# Altium PCB CF_PCB.PcbDoc (part 1 of 2) (continued)
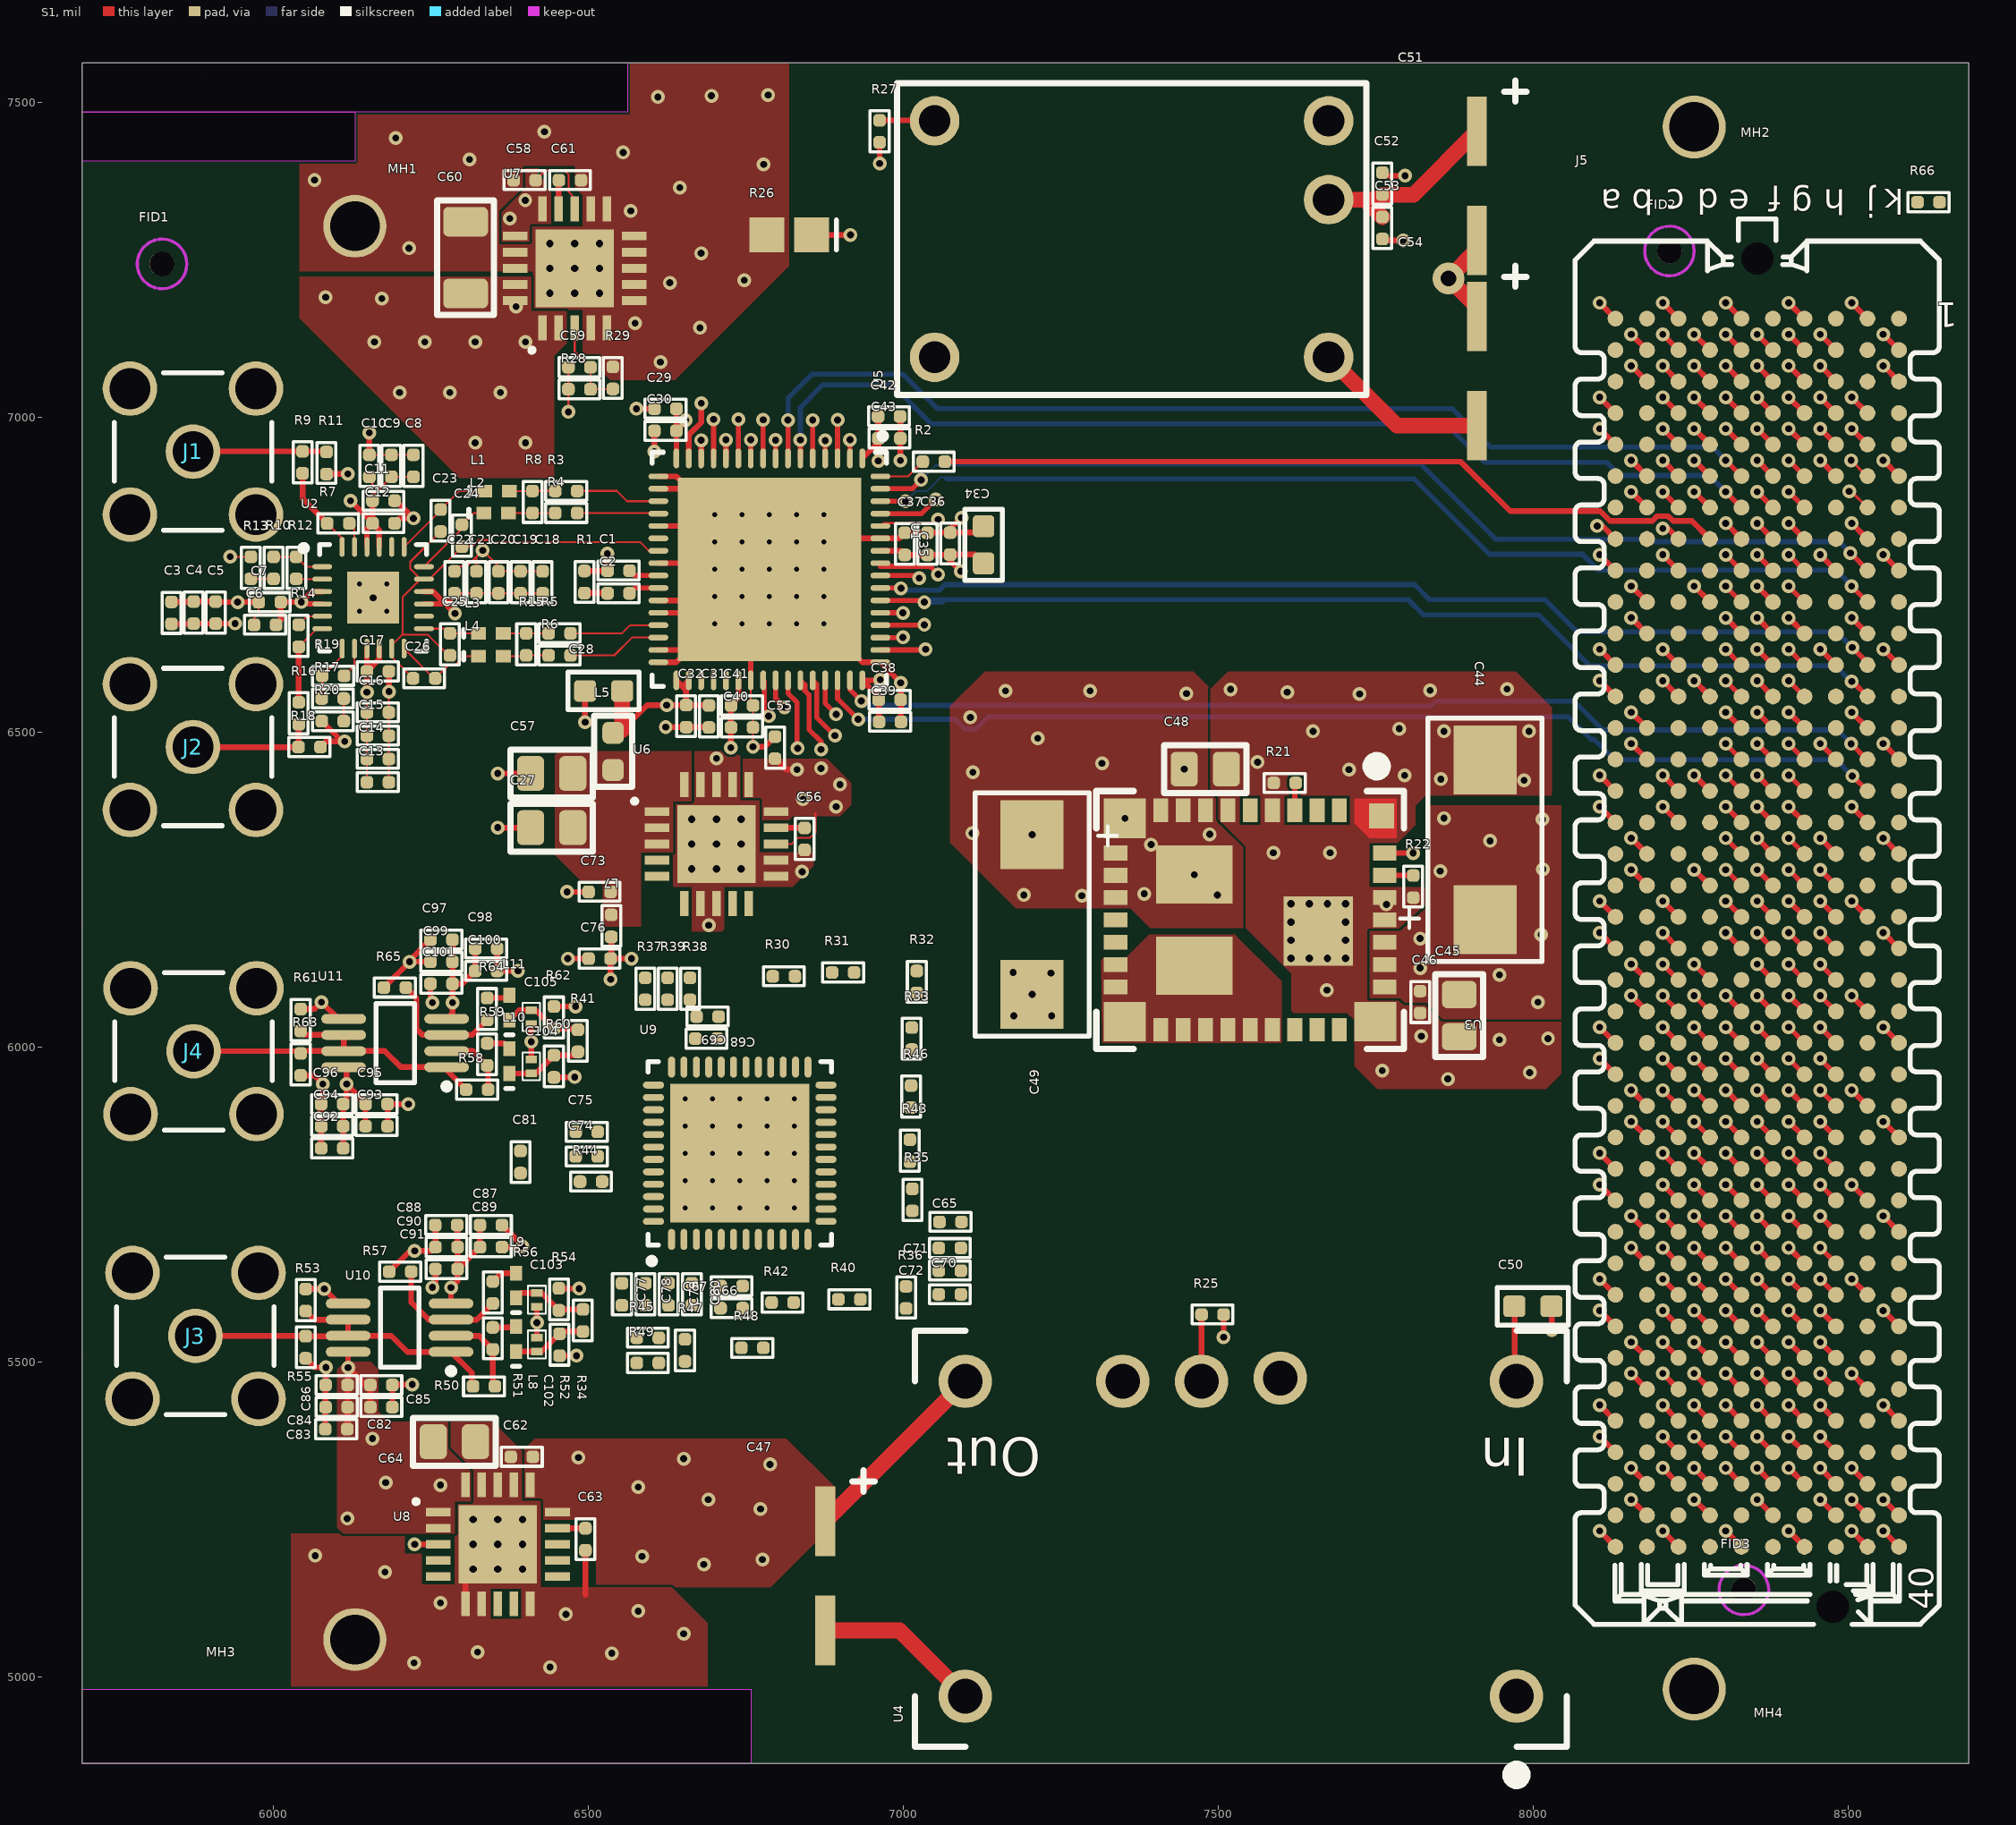
[diagram p0: S1 view]
## Components (designator, comment, footprint, x,y, rotation, side; value= is the part's Value field where it differs from the comment) (continued)
R52 "RES - 0402" RES_0402 6454,5528 r90 top value=60.4R
R53 "RES - 0402" RES_0402 6051,5599 r270 top value=1K
R54 "RES - 0402" RES_0402 6453,5600 r90 top value=60.4R
R55 "RES - 0402" RES_0402 6051,5524 r90 top value=50R
R56 "RES - 0402" RES_0402 6348,5611 r90 top value=150R
R57 "RES - 0402" RES_0402 6201,5644 r0 top value=150R
R58 "RES - 0402" RES_0402 6323,5933 r0 top value=150R
R59 "RES - 0402" RES_0402 6339,5989 r90 top value=150R
R60 "RES - 0402" RES_0402 6445,5970 r90 top value=60.4R
R61 "RES - 0402" RES_0402 6043,6043.5 r270 top value=1K
R62 "RES - 0402" RES_0402 6445,6047.5 r90 top value=60.4R
R63 "RES - 0402" RES_0402 6043,5973 r90 top value=50R
R64 "RES - 0402" RES_0402 6339,6061 r90 top value=150R
R65 "RES - 0402" RES_0402 6192.5,6095 r0 top value=150R
R66 "RES - 0402" RES_0402 8627,7342 r0 top value=10k
U1 "ADS62P48IRGCT" ADC_ADS62P48IRGCT 6787,6759 r270 top
U2 "ADA4927-2YCPZ-R2" OPAMP_ADA4927-2YCPZ-R2 6158,6714 r0 top
U3 "LMZ30602" "RKG39 QFN" 7782.46,6395.23 r180 top
U4 "PTN78060W" EUW 8053,5550 r180 top
U5 "PTN78000A" PTN78000A 7362,7283.5 r180 top
U6 "TPS7A4700" TPS7A4700 6703,6323 r0 top
U7 "" TPS7A4700 6478,7237 r90 top
U8 "TPS7A4700" TPS7A4700 6356,5211 r0 top
U9 "AD9146BCPZ" DAC_AD9146BCPZ 6740,5832 r90 top
U10 "AD8056ARMZ" OPAMP_AD8056ARMZ 6200,5555 r180 top
U11 "AD8056ARMZ" OPAMP_AD8056ARMZ 6193,6007 r180 top

## Footprints (in the part's own frame and the unit in brackets; to place one, negate y for a bottom-side part, rotate by r counter-clockwise, add the part's x,y. Pads: shape width x height; smd on the part's side, far side on the other; paste and mask are expansions set on the pad)
0402-A [mm] "Chip Inductor, Body 1.0x0.5mm, IPC High Density"
  rect 0.6x0.5 smd: 1(-0.5,0) 2(0.5,0)
  silkscreen extent -1.1,-0.15 -1.1,0.15, body extent -0.55,-0.3 0.55,0.3, height 0.55
ADC_ADS62P48IRGCT [mm] "QFN, 64-Leads, Body 9,00x9,00mm, Pitch 0,50mm, Thermal Pad 7,40x7,40mm, IPC Medium Density"
  oval 0.8x0.23 smd mask+0.07: 1(-4.475,3.75) 2(-4.475,3.25) 3(-4.475,2.75) 4(-4.475,2.25) 5(-4.475,1.75) 6(-4.475,1.25) 7(-4.475,0.75) 8(-4.475,0.25) 9(-4.475,-0.25) 10(-4.475,-0.75) 11(-4.475,-1.25) 12(-4.475,-1.75) 13(-4.475,-2.25) 14(-4.475,-2.75) 15(-4.475,-3.25) 16(-4.475,-3.75) 33(4.475,-3.75) 34(4.475,-3.25) 35(4.475,-2.75) 36(4.475,-2.25) 37(4.475,-1.75) 38(4.475,-1.25) 39(4.475,-0.75) 40(4.475,-0.25) 41(4.475,0.25) 42(4.475,0.75) 43(4.475,1.25) 44(4.475,1.75) 45(4.475,2.25) 46(4.475,2.75) 47(4.475,3.25) 48(4.475,3.75)
  oval 0.23x0.8 smd mask+0.07: 17(-3.75,-4.475) 18(-3.25,-4.475) 19(-2.75,-4.475) 20(-2.25,-4.475) 21(-1.75,-4.475) 22(-1.25,-4.475) 23(-0.75,-4.475) 24(-0.25,-4.475) 25(0.25,-4.475) 26(0.75,-4.475) 27(1.25,-4.475) 28(1.75,-4.475) 29(2.25,-4.475) 30(2.75,-4.475) 31(3.25,-4.475) 32(3.75,-4.475) 49(3.75,4.475) 50(3.25,4.475) 51(2.75,4.475) 52(2.25,4.475) 53(1.75,4.475) 54(1.25,4.475) 55(0.75,4.475) 56(0.25,4.475) 57(-0.25,4.475) 58(-0.75,4.475) 59(-1.25,4.475) 60(-1.75,4.475) 61(-2.25,4.475) 62(-2.75,4.475) 63(-3.25,4.475) 64(-3.75,4.475)
  rect 7.4x7.4 smd mask+0.07: PAD(0,0)
  silkscreen extent -5.5,-4.72 4.72,4.72, body extent -4.57,-4.57 4.57,4.57, height 1
C2512 [mm] "Chip Capacitor, Body 2.54x1.27mm, IPC High Density"
  rect 1.4x1.4 smd: 1(-0.9,0) 2(0.9,0)
  silkscreen extent -1.9,-0.6 -1.9,0.6, body extent -1.45,-0.82 1.45,0.82, height 1.3
CAP_0201 [mil]
  rect 12x18 smd: 1(-11,0) 2(11,0)
  silkscreen extent -23,-14 22,14, body extent -12,-6 12,6, height 12
CAP_0402 [mil]
  rrect60% 20x20 smd: 1(-17.5,0) 2(17.5,0)
  silkscreen extent -32,-15 32,15, body extent -19,-10 20,10, height 20
CAP_0603 [mil]
  rrect35% 35x34 smd: 1(-29.5,0) 2(29.5,0)
  silkscreen extent -56,-30 56,30, body extent -32,-16 31,16, height 35
CAP_0805 [mil]
  rrect37% 43x55 smd: 1(-33.5,0) 2(33.5,0)
  silkscreen extent -66,-38 66,38, body extent -39,-24 40,25, height 49
CAP_1206 [mil]
  rrect34% 47x71 smd: 1(-57,0) 2(57,0)
  silkscreen extent -91,-45 91,45, body extent -62,-31 64,32, height 49
CAP_TAN_2917(D) [mm]
  rect 2.77x2.55 smd: 1(-3.22,0)
  rect 2.77x2.55 smd paste-0.3 mask-0.11: 2(3.22,0)
  silkscreen extent -4.9,-2.3 4.9,3.43, body extent -3.67,-2.3 3.93,2.3, height 3.1
CapacitorE [mm]
  rect 2.8x0.8 smd: 1(-2.2,0) 2(2.2,0)
  silkscreen extent 3.4,-2 4.25,-1.1, body extent -3.3,-3.3 3.3,3.3, height 7.7
CONN_SAMTEC_ASP-134488-01 [mm] "Connector VITA 57, 400 Male contacts in 10 row abcdefghj"
  round 1 hole 1.3 unplated mask+0.3: 1(-27.191,-3.048) 2(27.191,0)
  round 0.64 smd: a1(24.765,5.715) a2(23.495,5.715) a3(22.225,5.715) a4(20.955,5.715) a5(19.685,5.715) a6(18.415,5.715) a7(17.145,5.715) a8(15.875,5.715) a9(14.605,5.715) a10(13.335,5.715) a11(12.065,5.715) a12(10.795,5.715) a13(9.525,5.715) a14(8.255,5.715) a15(6.985,5.715) a16(5.715,5.715) a17(4.445,5.715) a18(3.175,5.715) a19(1.905,5.715) a20(0.635,5.715) a21(-0.635,5.715) a22(-1.905,5.715) a23(-3.175,5.715) a24(-4.445,5.715) a25(-5.715,5.715) a26(-6.985,5.715) a27(-8.255,5.715) a28(-9.525,5.715) a29(-10.795,5.715) a30(-12.065,5.715) a31(-13.335,5.715) a32(-14.605,5.715) a33(-15.875,5.715) a34(-17.145,5.715) a35(-18.415,5.715) a36(-19.685,5.715) a37(-20.955,5.715) a38(-22.225,5.715) a39(-23.495,5.715) a40(-24.765,5.715) b1(24.765,4.445) b2(23.495,4.445) b3(22.225,4.445) b4(20.955,4.445) b5(19.685,4.445) b6(18.415,4.445) b7(17.145,4.445) b8(15.875,4.445) b9(14.605,4.445) b10(13.335,4.445) b11(12.065,4.445) b12(10.795,4.445) b13(9.525,4.445) b14(8.255,4.445) b15(6.985,4.445) b16(5.715,4.445) b17(4.445,4.445) b18(3.175,4.445) b19(1.905,4.445) b20(0.635,4.445) b21(-0.635,4.445) b22(-1.905,4.445) b23(-3.175,4.445) b24(-4.445,4.445) b25(-5.715,4.445) b26(-6.985,4.445) b27(-8.255,4.445) b28(-9.525,4.445) b29(-10.795,4.445) b30(-12.065,4.445) b31(-13.335,4.445) b32(-14.605,4.445) b33(-15.875,4.445) b34(-17.145,4.445) b35(-18.415,4.445) b36(-19.685,4.445) b37(-20.955,4.445) b38(-22.225,4.445) b39(-23.495,4.445) b40(-24.765,4.445) c1(24.765,3.175) c2(23.495,3.175) c3(22.225,3.175) c4(20.955,3.175) c5(19.685,3.175) c6(18.415,3.175) c7(17.145,3.175) c8(15.875,3.175) c9(14.605,3.175) c10(13.335,3.175) c11(12.065,3.175) c12(10.795,3.175) c13(9.525,3.175) c14(8.255,3.175) c15(6.985,3.175) c16(5.715,3.175) c17(4.445,3.175) c18(3.175,3.175) c19(1.905,3.175) c20(0.635,3.175) c21(-0.635,3.175) c22(-1.905,3.175) c23(-3.175,3.175) c24(-4.445,3.175) c25(-5.715,3.175) c26(-6.985,3.175) c27(-8.255,3.175) c28(-9.525,3.175) c29(-10.795,3.175) c30(-12.065,3.175) c31(-13.335,3.175) c32(-14.605,3.175) c33(-15.875,3.175) c34(-17.145,3.175) c35(-18.415,3.175) c36(-19.685,3.175) c37(-20.955,3.175) c38(-22.225,3.175) c39(-23.495,3.175) c40(-24.765,3.175) d1(24.765,1.905) d2(23.495,1.905) d3(22.225,1.905) d4(20.955,1.905) d5(19.685,1.905) d6(18.415,1.905) d7(17.145,1.905) d8(15.875,1.905) d9(14.605,1.905) d10(13.335,1.905) d11(12.065,1.905) d12(10.795,1.905) d13(9.525,1.905) d14(8.255,1.905) d15(6.985,1.905) d16(5.715,1.905) d17(4.445,1.905) d18(3.175,1.905) d19(1.905,1.905) d20(0.635,1.905) d21(-0.635,1.905) d22(-1.905,1.905) d23(-3.175,1.905) d24(-4.445,1.905) d25(-5.715,1.905) d26(-6.985,1.905) d27(-8.255,1.905) d28(-9.525,1.905) d29(-10.795,1.905) d30(-12.065,1.905) d31(-13.335,1.905) d32(-14.605,1.905) d33(-15.875,1.905) d34(-17.145,1.905) d35(-18.415,1.905) d36(-19.685,1.905) d37(-20.955,1.905) d38(-22.225,1.905) d39(-23.495,1.905) d40(-24.765,1.905) e1(24.765,0.635) e2(23.495,0.635) e3(22.225,0.635) e4(20.955,0.635) e5(19.685,0.635) e6(18.415,0.635) e7(17.145,0.635) e8(15.875,0.635) e9(14.605,0.635) e10(13.335,0.635) e11(12.065,0.635) e12(10.795,0.635) e13(9.525,0.635) e14(8.255,0.635) e15(6.985,0.635) e16(5.715,0.635) e17(4.445,0.635) e18(3.175,0.635) e19(1.905,0.635) e20(0.635,0.635) e21(-0.635,0.635) e22(-1.905,0.635) e23(-3.175,0.635) e24(-4.445,0.635) e25(-5.715,0.635) e26(-6.985,0.635) e27(-8.255,0.635) e28(-9.525,0.635) e29(-10.795,0.635) e30(-12.065,0.635) e31(-13.335,0.635) e32(-14.605,0.635) e33(-15.875,0.635) e34(-17.145,0.635) e35(-18.415,0.635) e36(-19.685,0.635) e37(-20.955,0.635) e38(-22.225,0.635) e39(-23.495,0.635) e40(-24.765,0.635) f1(24.765,-0.635) f2(23.495,-0.635) f3(22.225,-0.635) f4(20.955,-0.635) f5(19.685,-0.635) f6(18.415,-0.635) f7(17.145,-0.635) f8(15.875,-0.635) f9(14.605,-0.635) f10(13.335,-0.635) f11(12.065,-0.635) f12(10.795,-0.635) f13(9.525,-0.635) f14(8.255,-0.635) f15(6.985,-0.635) f16(5.715,-0.635) f17(4.445,-0.635) f18(3.175,-0.635) f19(1.905,-0.635) f20(0.635,-0.635) f21(-0.635,-0.635) f22(-1.905,-0.635) f23(-3.175,-0.635) f24(-4.445,-0.635) f25(-5.715,-0.635) f26(-6.985,-0.635) f27(-8.255,-0.635) f28(-9.525,-0.635) f29(-10.795,-0.635) f30(-12.065,-0.635) f31(-13.335,-0.635) f32(-14.605,-0.635) f33(-15.875,-0.635) f34(-17.145,-0.635) f35(-18.415,-0.635) f36(-19.685,-0.635) f37(-20.955,-0.635) f38(-22.225,-0.635) f39(-23.495,-0.635) f40(-24.765,-0.635) g1(24.765,-1.905) g2(23.495,-1.905) g3(22.225,-1.905) g4(20.955,-1.905) g5(19.685,-1.905) g6(18.415,-1.905) g7(17.145,-1.905) g8(15.875,-1.905) g9(14.605,-1.905) g10(13.335,-1.905) g11(12.065,-1.905) g12(10.795,-1.905) g13(9.525,-1.905) g14(8.255,-1.905) g15(6.985,-1.905) g16(5.715,-1.905) g17(4.445,-1.905) g18(3.175,-1.905) g19(1.905,-1.905) g20(0.635,-1.905) g21(-0.635,-1.905) g22(-1.905,-1.905) g23(-3.175,-1.905) g24(-4.445,-1.905) g25(-5.715,-1.905) g26(-6.985,-1.905) g27(-8.255,-1.905) g28(-9.525,-1.905) g29(-10.795,-1.905) g30(-12.065,-1.905) g31(-13.335,-1.905) g32(-14.605,-1.905) g33(-15.875,-1.905) g34(-17.145,-1.905) g35(-18.415,-1.905) g36(-19.685,-1.905) g37(-20.955,-1.905) g38(-22.225,-1.905) g39(-23.495,-1.905) g40(-24.765,-1.905) h1(24.765,-3.175) h2(23.495,-3.175) h3(22.225,-3.175) h4(20.955,-3.175) h5(19.685,-3.175) h6(18.415,-3.175) h7(17.145,-3.175) h8(15.875,-3.175) h9(14.605,-3.175) h10(13.335,-3.175) h11(12.065,-3.175) h12(10.795,-3.175) h13(9.525,-3.175) h14(8.255,-3.175) h15(6.985,-3.175) h16(5.715,-3.175) h17(4.445,-3.175) h18(3.175,-3.175) h19(1.905,-3.175) h20(0.635,-3.175) h21(-0.635,-3.175) h22(-1.905,-3.175) h23(-3.175,-3.175) h24(-4.445,-3.175) h25(-5.715,-3.175) h26(-6.985,-3.175) h27(-8.255,-3.175) h28(-9.525,-3.175) h29(-10.795,-3.175) h30(-12.065,-3.175) h31(-13.335,-3.175) h32(-14.605,-3.175) h33(-15.875,-3.175) h34(-17.145,-3.175) h35(-18.415,-3.175) h36(-19.685,-3.175) h37(-20.955,-3.175) h38(-22.225,-3.175) h39(-23.495,-3.175) h40(-24.765,-3.175) j1(24.765,-4.445) j2(23.495,-4.445) j3(22.225,-4.445) j4(20.955,-4.445) j5(19.685,-4.445) j6(18.415,-4.445) j7(17.145,-4.445) j8(15.875,-4.445) j9(14.605,-4.445) j10(13.335,-4.445) j11(12.065,-4.445) j12(10.795,-4.445) j13(9.525,-4.445) j14(8.255,-4.445) j15(6.985,-4.445) j16(5.715,-4.445) j17(4.445,-4.445) j18(3.175,-4.445) j19(1.905,-4.445) j20(0.635,-4.445) j21(-0.635,-4.445) j22(-1.905,-4.445) j23(-3.175,-4.445) j24(-4.445,-4.445) j25(-5.715,-4.445) j26(-6.985,-4.445) j27(-8.255,-4.445) j28(-9.525,-4.445) j29(-10.795,-4.445) j30(-12.065,-4.445) j31(-13.335,-4.445) j32(-14.605,-4.445) j33(-15.875,-4.445) j34(-17.145,-4.445) j35(-18.415,-4.445) j36(-19.685,-4.445) j37(-20.955,-4.445) j38(-22.225,-4.445) j39(-23.495,-4.445) j40(-24.765,-4.445) k1(24.765,-5.715) k2(23.495,-5.715) k3(22.225,-5.715) k4(20.955,-5.715) k5(19.685,-5.715) k6(18.415,-5.715) k7(17.145,-5.715) k8(15.875,-5.715) k9(14.605,-5.715) k10(13.335,-5.715) k11(12.065,-5.715) k12(10.795,-5.715) k13(9.525,-5.715) k14(8.255,-5.715) k15(6.985,-5.715) k16(5.715,-5.715) k17(4.445,-5.715) k18(3.175,-5.715) k19(1.905,-5.715) k20(0.635,-5.715) k21(-0.635,-5.715) k22(-1.905,-5.715) k23(-3.175,-5.715) k24(-4.445,-5.715) k25(-5.715,-5.715) k26(-6.985,-5.715) k27(-8.255,-5.715) k28(-9.525,-5.715) k29(-10.795,-5.715) k30(-12.065,-5.715) k31(-13.335,-5.715) k32(-14.605,-5.715) k33(-15.875,-5.715) k34(-17.145,-5.715) k35(-18.415,-5.715) k36(-19.685,-5.715) k37(-20.955,-5.715) k38(-22.225,-5.715) k39(-23.495,-5.715) k40(-24.765,-5.715)
  silkscreen extent -27.89,-7.34 28.78,7.34, body extent -27.89,-7.34 28.78,7.34, height 5.61
CONN_SMA_5-1814400-1 [mm] "SMA Right Angle Jack, 14.8x6.35x9.6mm"
  round 2.2 hole 1.65: 1(0,0) 2(-2.54,2.54) 3(2.54,2.54) 4(-2.54,-2.54) 5(2.54,-2.54)
  silkscreen extent -3.17,-3.17 3.17,3.17, body extent -3.15,-3.16 3.18,11.04, height 10.47
DAC_AD9146BCPZ [mm] "QFN, 48-Leads, Body 7x7mm, Pitch 0.5mm, Thermal Pad 5.6x5.6mm, IPC Medium Density"
  oval 0.85x0.28 smd mask+0.07: 1(-3.475,2.75) 2(-3.475,2.25) 3(-3.475,1.75) 4(-3.475,1.25) 5(-3.475,0.75) 6(-3.475,0.25) 7(-3.475,-0.25) 8(-3.475,-0.75) 9(-3.475,-1.25) 10(-3.475,-1.75) 11(-3.475,-2.25) 12(-3.475,-2.75) 25(3.475,-2.75) 26(3.475,-2.25) 27(3.475,-1.75) 28(3.475,-1.25) 29(3.475,-0.75) 30(3.475,-0.25) 31(3.475,0.25) 32(3.475,0.75) 33(3.475,1.25) 34(3.475,1.75) 35(3.475,2.25) 36(3.475,2.75)
  oval 0.28x0.85 smd mask+0.07: 13(-2.75,-3.475) 14(-2.25,-3.475) 15(-1.75,-3.475) 16(-1.25,-3.475) 17(-0.75,-3.475) 18(-0.25,-3.475) 19(0.25,-3.475) 20(0.75,-3.475) 21(1.25,-3.475) 22(1.75,-3.475) 23(2.25,-3.475) 24(2.75,-3.475) 37(2.75,3.475) 38(2.25,3.475) 39(1.75,3.475) 40(1.25,3.475) 41(0.75,3.475) 42(0.25,3.475) 43(-0.25,3.475) 44(-0.75,3.475) 45(-1.25,3.475) 46(-1.75,3.475) 47(-2.25,3.475) 48(-2.75,3.475)
  rect 5.6x5.6 smd mask+0.07: PAD(0,0)
  silkscreen extent -4.47,-3.7 3.7,3.7, body extent -3.55,-3.55 3.55,3.55, height 0.8
EUW [mil] "ThroughHole TI regulator package"
  round 85 hole 55: 1(80,580) 2(80,80) 3(455,75) 4(580,80) 5(705,80) 6(955,80) 7(955,580)
  silkscreen extent 0,0 1035,715, body extent 20,20 1015,640, height 354
FER_0402 [mil]
  rrect60% 20x20 smd: 1(-17.5,0) 2(17.5,0)
  silkscreen extent -32,-15 32,15, body extent -20,-10 20,10, height 20
FER_0603 [mil]
  rrect53% 35x34 smd: 1(-29.5,0) 2(29.5,0)
  silkscreen extent -57,-30 57,30, body extent -31,-16 31,15, height 31
FID_1MM#1 [mm] "Fiducial 1mm diameter - Exposed 2mm"
  round 1 hole 1 paste-1 mask+0.5: 0(0,0)
  Keep-Out Layer circle w0.127: c0,0 r1
FID_1MM#2 [mm] "Fiducial 1mm diameter - Exposed 2mm"
  round 1 hole 1 paste+0 mask+0.5: 0(0,0)
  Keep-Out Layer circle w0.127: c0,0 r1
MH_ENG_6-32#1 [mm] "Mounting hole - Imperial 6-32"
  round 2.54 hole 2: 1(-8.66,1.015)
MH_ENG_6-32#2 [mm] "Mounting hole - Imperial 6-32"
  round 2.54 hole 2: 1(15.114,0.976)
MH_ENG_6-32#3 [mm] "Mounting hole - Imperial 6-32"
  round 2.54 hole 2: 1(-6.069,-2.417)
MH_ENG_6-32#4 [mm] "Mounting hole - Imperial 6-32"
  round 2.54 hole 2: 1(13.387,-1.826)
OPAMP_AD8056ARMZ [mm] "SOP, 8-Leads, Body 3x3mm, Pitch 0.65mm, IPC Medium Density"
  oval 1.8x0.4 smd mask+0.07: 1(-2.075,0.975) 2(-2.075,0.325) 3(-2.075,-0.325) 4(-2.075,-0.975) 5(2.075,-0.975) 6(2.075,-0.325) 7(2.075,0.325) 8(2.075,0.975)
  silkscreen extent -2.2,-1.6 0.77,1.87, body extent -2.12,-1.53 2.07,1.52, height 1.3
OPAMP_ADA4927-2YCPZ-R2 [mm] "QFN, 24-Leads, Body 4,00x4,00mm, Pitch 0,50mm, Thermal Pad 2,10x2,10mm, IPC Low Density"
  oval 0.8x0.2 smd mask+0.075: 1(-2.05,1.25) 2(-2.05,0.75) 3(-2.05,0.25) 4(-2.05,-0.25) 5(-2.05,-0.75) 6(-2.05,-1.25) 13(2.05,-1.25) 14(2.05,-0.75) 15(2.05,-0.25) 16(2.05,0.25) 17(2.05,0.75) 18(2.05,1.25)
  oval 0.2x0.8 smd mask+0.075: 7(-1.25,-2.05) 8(-0.75,-2.05) 9(-0.25,-2.05) 10(0.25,-2.05) 11(0.75,-2.05) 12(1.25,-2.05) 19(1.25,2.05) 20(0.75,2.05) 21(0.25,2.05) 22(-0.25,2.05) 23(-0.75,2.05) 24(-1.25,2.05)
  rect 2.1x2.1 smd mask+0.075: PAD(0,0)
  silkscreen extent -2.92,-2.15 2.15,2.15, body extent -2,-2 2,2, height 1
PTN78000A [mm]
  round 2 hole 1.27: 1(-7.943,4.767) 2(-7.943,-1.588) 3(-7.943,-4.768) 4(7.942,-4.768) 5(7.942,4.767)
  silkscreen extent -9.46,-6.28 9.46,6.29
RES_0402 [mil]
  rrect60% 20x20 smd: 1(-17.5,0) 2(17.5,0)
  silkscreen extent -32,-15 32,15, body extent -23,-11 23,11, height 16
"RKG39 QFN" [mm]
  rect 1x1 smd paste-11 mask-0.6: 1(0.6,0.7)
  rect 0.6x0.95 smd paste-0.025 mask+0.07: 2(2.3,0.475) 3(3.2,0.475) 4(4.1,0.475) 5(5,0.475) 6(5.9,0.475) 7(6.8,0.475) 8(7.7,0.475) 9(8.6,0.475) 10(9.5,0.475) 20(9.5,9.325) 21(8.6,9.325) 22(7.7,9.325) 23(6.8,9.325) 24(5.9,9.325) 25(5,9.325) 26(4.1,9.325) 27(3.2,9.325) 28(2.3,9.325)
  rect 1.7x1.6 smd paste-11 mask+0.07: 11(10.95,0.8) 19(10.95,9)
  rect 0.95x0.6 smd paste-0.025 mask+0.07: 12(11.325,2.2) 13(11.325,3.1) 14(11.325,4) 15(11.325,4.9) 16(11.325,5.8) 17(11.325,6.7) 18(11.325,7.6) 30(0.475,7.6) 31(0.475,6.7) 32(0.475,5.8) 33(0.475,4.9) 34(0.475,4) 35(0.475,3.1) 36(0.475,2.2)
  rect 1.7x1.6 smd paste-99 mask+0.07: 29(0.85,9)
  rect 2.8x2.8 smd paste-11 mask-0.6: 37(3.15,5.35)
  rect 3.1x2.35 smd paste-11 mask+0.07: 38(8.15,3.07) 39(8.15,6.74)
  S1 region: 0,0 1.7,0 1.7,0.99 1.09,1.6 0,1.6
  silkscreen extent -0.3,-1.55 12.1,10.1, body extent 0.4,0.4 11.4,9.4, height 2.9
TPS7A4700 [mm]
  rect 1x0.35 smd: 1(-2.4,1.3) 2(-2.4,0.65) 3(-2.4,0) 4(-2.4,-0.65) 5(-2.4,-1.3) 11(2.4,-1.3) 12(2.4,-0.65) 13(2.4,0) 14(2.4,0.65) 15(2.4,1.3)
  rect 0.35x1 smd: 6(-1.3,-2.4) 7(-0.65,-2.4) 8(0,-2.4) 9(0.65,-2.4) 10(1.3,-2.4) 16(1.3,2.4) 17(0.65,2.4) 18(0,2.4) 19(-0.65,2.4) 20(-1.3,2.4)
  rect 3.15x3.15 smd: 6(0,0)
  silkscreen extent -3.36,1.67 -3.24,1.78

## Part data
C1 C2 C7 C12 C17 C22 C23 C24 C25 C26 C52 C53 C65 C66 C67 C68 C69 C70 C71 C72 C73 C74 C75 C76 C77 C78 C79 C80 C81 C86 C91 C96 C101: Package=0402, Voltage=50V, CreatedBy="Jonathan Bouchard", Precision=10%
C3 C4 C8 C9 C13 C14 C18 C19 C82 C83 C87 C88 C92 C93 C97 C98: Package=0402, Voltage=6.3V, CreatedBy="Jonathan Bouchard", Precision=10%
C5 C10 C15 C20 C84 C89 C94 C99: Package=0402, Voltage=35V, CreatedBy="Jonathan Bouchard", Precision=10%
C6 C11 C16 C21 C85 C90 C95 C100: Package=0402, Voltage=25V, CreatedBy="Jonathan Bouchard", Precision=10%
C27 C55 C58 C62: Package=0805, Voltage=50V, CreatedBy="Jonathan Bouchard", Precision=10%
C28 C34: Mfg Part Number=C1005X5R0J106M050BC, Package=0603, Voltage=50V, CreatedBy="Jonathan Bouchard", Precision=10%
C29 C31 C36 C38 C40 C42: Mfg Part Number=C0603X5R1E104K030BB, Package=0402, Voltage=50V, CreatedBy="Jonathan Bouchard", Precision=10%
C30 C32 C37 C39 C41 C43: Mfg Part Number=C0603X5R1E152M030BA, Package=0402, Voltage=50V, CreatedBy="Jonathan Bouchard", Precision=10%
C35: Mfg Part Number=C0603X5R0J105M030BC, Package=0402, Voltage=50V, CreatedBy="Jonathan Bouchard", Precision=10%
C44 C49: library part CAP_TANT_2917(D), "CAP - TANTALUM - 2917", Package=2917, Voltage=6.3V, CreatedBy="Jonathan Bouchard", Precision=10%
C45 C48: Package=0805, Voltage=6.3V, CreatedBy="Jonathan Bouchard", Precision=10%
C46: Package=0402, Voltage=10V, CreatedBy="Jonathan Bouchard", Precision=10%
C47 C51 C54: library part CAP_ALU_MAL215099101E3, "CAP - ALU 100uF 20% 50V - 1010", Current=490mA, Package=1010, Supplier Part Number 1=4399PHDKR-ND, Temperature="-55°C to 125°C", Voltage=50V, CreatedBy="Jonathan Bouchard", HelpURL=http://www.vishay.com/docs/28395/150crz.pdf, Mfg="Vishay Dale", Mfg Part Number=MAL215099101E3, Precision=20%, Supplier 1=Digikey
C50: Package=0603, Voltage=50V, CreatedBy="Jonathan Bouchard", Precision=10%
C56 C59 C61 C63: Package=0402, Voltage=16v, CreatedBy="Jonathan Bouchard", Precision=10%
C57 C64: Package=0805, Voltage=16V, CreatedBy="Jonathan Bouchard", Precision=10%
C60: Package=1206, Voltage=50V, CreatedBy="Jonathan Bouchard", Precision=10%
C102 C103 C104 C105: Package=0201, Voltage=50V, CreatedBy="Jonathan Bouchard", Precision=10%
FID1 FID2 FID3: library part FID_1MM, "FID - 1MM", CreatedBy="Jonathan Bouchard", FootprintNameOK="Jonathan Bouchard", VerifiedBy="Alexandre Imbeault"
J1 J2 J3 J4: library part CONN_SMA_5-1814400-1, "CONN -  SMA JACK R/A 50 OHM - TH", Package=TH-5, Supplier Part Number 1=A97593-ND, Temperature="-55°C ~ 85°C", CreatedBy="Jonathan Bouchard", HelpURL=http://www.te.com/commerce/DocumentDelivery/DDEController?Action=srchrtrv&DocNm=1814400&DocType=Customer+Drawing&DocLang=English, Mfg="TE Connectivity AMP Connectors", Mfg Part Number=5-1814400-1, Supplier 1=Digikey
J5: library part CONN_SAMTEC_ASP-134488-01, "CONN - VITA 57 MEZZ MALE (DAUGHTERBOARD) HIGH DENSITY - SMD-400", Current=1.8A, Package=SMD-400, Temperature="-55 °C to +125 °C", Voltage=240VAC, CreatedBy="Jonathan Bouchard", HelpURL=http://suddendocs.samtec.com/prints/asp-134488-01-mkt.pdf, Mfg=Samtec, Mfg Part Number=ASP-134488-01
L5: Current=1A, Mfg Part Number=782633601, Package=0603, CreatedBy="Jonathan Bouchard", Mfg="Würth Elektronik"
L7: Current=500mA, Package=0402, CreatedBy="Jonathan Bouchard"
MH1 MH2 MH3 MH4: library part MH_6-32, "MH - Mounting Hole 6-32", CreatedBy="Jonathan Bouchard", FootprintNameOK="Jonathan Bouchard", VerifiedBy="Alexandre Imbeault"
R1 R2 R3 R4 R5 R6 R7 R8 R9 R10 R11 R12 R13 R14 R15 R16 R17 R18 R19 R20 R21 R22 R25 R27 R28 R29 R30 R31 R32 R33 R34 R35 R36 R37 R38 R39 R40 R41 R42 R43 R44 R45 R46 R47 R48 R49 R50 R51 R52 R53 R54 R55 R56 R57 R58 R59 R60 R61 R62 R63 R64 R65 R66: Package=0402, Power=1/16W, Voltage=50V, CreatedBy="Jonathan Bouchard", Precision=1%
R26: Package=2512, Power=1/16W, Voltage=50V, CreatedBy="Jonathan Bouchard", Precision=5%
U1: library part ADC_ADS62P48IRGCT, "ADC - 14 BIT 210MSPS SUAL - VQFN-64", Package=VQFN-64, Supplier Part Number 1=296-24611-1-ND, Temperature="-40°C ~ 85°C", Voltage="3.15 V ~ 3.6 V / 1.7 V ~ 1.9 V", CreatedBy="Jonathan Bouchard", HelpURL=http://www.ti.com/lit/ds/symlink/ads62p48.pdf, Mfg="Texas Instruments", Mfg Part Number=ADS62P48IRGCT, Precision="14 Bit", Supplier 1=Digikey
U2: library part OPAMP_ADA4927-2YCPZ-R2, "OPAMP - CFA 2.3GHZ - QFN-24", Current=65mA, Package=QFN-24, Supplier Part Number 1=ADA4927-2YCPZ-R2CT-ND, Temperature="-40°C ~ 105°C", Voltage="4.5 V ~ 11 V, ±2.25 V ~ 5.5 V", CreatedBy="Jonathan Bouchard", HelpURL=http://www.analog.com/media/en/technical-documentation/data-sheets/ADA4927-1_4927-2.pdf, Mfg="Analog Devices", Mfg Part Number=ADA4927-2YCPZ-R2, Supplier 1=Digikey
U3: library part LMZ3602, "2A Power Module"
U4: "Wide input volate regulator", Output Current=3A
U7: library part TPS7A33
U9: library part DAC_AD9146BCPZ, "DAC - 16BIT SRL HIGH SPEED - QFN-48", Package=QFN-48, Supplier Part Number 1=AD9146BCPZ-ND, Temperature="-40°C ~ 85°C", Voltage="3.13 V ~ 3.47 V / 1.71 V ~ 1.89 V", CreatedBy="Jonathan Bouchard", HelpURL=http://www.analog.com/media/en/technical-documentation/data-sheets/AD9146.PDF, Mfg="Analog Devices Inc.", Mfg Part Number=AD9146BCPZ, Precision="16 Bit", Supplier 1=Digikey
U10 U11: library part OPAMP_AD8056ARMZ, "OPAMP - VFB 300MHZ - 8MSOP", Current=60mA, Package=MSOP-8, Supplier Part Number 1=AD8056ARMZ-REEL7CT-ND, Temperature="-40°C ~ 125°C", Voltage="8 V ~ 12 V, ±4 V ~ 6 V", CreatedBy="Jonathan Bouchard", HelpURL=http://www.analog.com/media/en/technical-documentation/data-sheets/AD8055_8056.pdf, Mfg="Analog Devices", Mfg Part Number=AD8056ARMZ, Supplier 1=Digikey
L1 L2 L3 L4 L8 L9 L10 L11: Code_IEC=1005, Code_JEITA=0402, LatestRevisionDate=29-May-2009, LatestRevisionNote="IPC-7351 Footprint Added.", PackageDescription="Chip Inductor", PackageReference=0402-A, Published=8-Jun-2000, Publisher="Altium Limited"

## Via types
v1: diameter 22, hole 11, S1 to S4, 505 vias
v2: diameter 19.68, hole 7.87, S1 to S4, 54 vias
v3: diameter 19.68, hole 11.81, S1 to S4, 39 vias
v4: diameter 50, hole 25, S1 to S4, 1 vias

## Nets (pads, with @x,y where several pads share a name; then routed paths per layer and width w, separated by ;. In a path a pad name is that pad's centre, name@x,y a point inside that pad or via, vN(x,y) a via of type N, cw(c..) or ccw(c..) an arc to the next point about the centre after c; other vN are vias at no path point)
1V8: C34.2 C35.2 C36.2 C37.2 C38.2 C39.2 C40.2 C41.2 C42.2 C43.2 C48.2 C49.1 C65.2 C66.2 C67.2 C68.2 C69.2 C70.2 C71.2 C72.2 C77.2 C78.2 C79.2 C80.2 J5.j39 J5.k40 R37.2 R38.2 R39.2 U1.1 U1.38 U1.48 U1.58 U3.8 U3.9 U3.10 U3.11 U3.12 U3.13 U3.14 U3.36 U3.38 U9.1 U9.2 U9.8 U9.29 U9.35 | length 1605.9
  S1 w9: v1(6726,6476) C40.2@6726,6508 C41.2@6726,6543 ; C41.2@6726.19,6543 6737.79,6554.59 U1.38@6737.79,6582.82 ; U1.1@6934.64,6935.18 C43.2@6960,6960.54 ; C42.2@6959.5,7002 6960,7001.5 C43.2@6960,6967 C43.2@6960,6960.54 ; v1(6960,6931) C43.2@6960,6960.54 ; C39.2@6961,6517 6961,6551.5 C38.2@6960.5,6552 6960.5,6556.96 U1.48@6934.64,6582.82 6961.82,6582.82 v1(6963,6584) ; U1.58@6963.18,6788.53 6995.47,6788.53 C37.2@7002,6782 C36.2@7038,6782 7073.5,6782 C35.2@7074,6782.5 ; v1(7091,6756) 7074,6773 C35.2@7074,6782.5 ; C34.2@7127,6768.5 7113,6782.5 C35.2@7074,6782.5 ; U3.36@7763.76,6308.62 v1(7808.73,6308.62) ; v1(8505.05,5282.21) J5.j39@8530.05,5257.21 ; v1(8555.05,5232.21) J5.k40@8580.05,5207.21
  S2 w9: v1(6963,6584) 7069.77,6477.19 7134.81,6477.19 7204,6408 7373,6408 7398,6383 7665,6383 7739.38,6308.62 v1(7808.73,6308.62)
  other v1: 7283,6241 7191,6242 7498,6242 7382,6244 7461.6,6274.37 7393,6322 7204,6337.77 7486,6338.5 7109,6340 7351.36,6363.74 7110,6437 7445.5,6441.9 7315.11,6451 7213,6491 7106,6524 7449,6562 7162,6566 7296,6566
3V3: J5.c39 J5.d36 J5.d38 J5.d40 R45.2 R66.2 | length 70.7
  S1 w9: v1(8255.05,5332.21) J5.d38@8280.05,5307.21 ; v1(8255.05,5432.21) J5.d36@8280.05,5407.21
3V3_CLEAN: C27.2 C57.2 C73.2 L5.2 L7.2 U6.1 U6.2 U6.3 U6.20
12V0: C50.2 C51.2 C52.2 C53.2 J5.c35 J5.c37 U4.2 U5.2 | length 514.1
  S1 w9: C50.2@7970,5593 7970,5473 U4.2@7973,5470 ; v1(8205.05,5382.21) J5.c37@8230.05,5357.21 ; v1(8205.05,5482.21) J5.c35@8230.05,5457.21
  S1 w25: U5.2@7674.7,7346 7732.5,7346 ; C53.2@7760,7318.5 7732.5,7346 ; C51.2@7910,7454.61 7809.39,7354 7768,7354 C52.2@7760,7354 7752,7346 7732.5,7346
ADC_A_DATA0_N: J5.e13 U1.60 | length 1512.9
  S1 w3: U1.60@6963.18,6827.9 6967.78,6832.5 7049.5,6832.5 v1(7055,6838)
  S1 w8: v1(8305.05,6582.21) J5.e13@8330.05,6557.21
  S2 w4.5: v1(7055,6838) 7082.5,6865.5 7655.5,6865.5 7825.5,6695.5 8003.5,6695.5 8061.5,6637.5 8080,6637.5 8080,6632.87 8106.87,6606 8280,6606 8303.79,6582.21 v1(8305.05,6582.21)
ADC_A_DATA0_P: J5.e12 U1.61 | length 1498.3
  S1 w3: U1.61@6963.18,6847.58 U1.61@6974.55,6847.58
  S1 w8: U1.61@6974.55,6847.58 7028.58,6847.58 v1(7051,6870) ; v1(8305.05,6632.21) J5.e12@8330.05,6607.21
  S2 w4.5: v1(7051,6870) 7067,6886 7663.99,6886 7833.99,6716 8011.99,6716 8069.99,6658 8279.27,6658 v1(8305.05,6632.21)
ADC_A_DATA2_N: J5.j10 U1.62 | length 1666.1
  S1 w8: U1.62@6963.18,6867.27 7002.73,6867.27 v1(7003,6867) ; v1(8505,6732.21) 8530,6707.21 J5.j10@8530.05,6707.21
  S4 w3: v1(7003,6867) 7019.06,6883.06 7036.94,6883.06 7058.87,6905 7066,6905 7068.5,6902.5
  S4 w8: 7068.5,6902.5 7810.5,6902.5 7930,6783 8079,6783 8079,6781.4 8102.4,6758 8480,6758 8505,6733 v1(8505,6732.21)
ADC_A_DATA2_P: J5.j9 U1.63 | length 1653.8
  S1 w8: U1.63@6963.18,6886.95 7013.95,6886.95 v1(7028,6901) ; v1(8503,6785) 8530.05,6757.95 J5.j9@8530.05,6757.21
  S4 w3: v1(7028,6901) 7051,6924 7066,6924 7068.5,6926.5
  S4 w8: 7068.5,6926.5 7820.44,6926.5 7939.94,6807 8180,6807 8184,6803 8485,6803 v1(8503,6785)
ADC_A_DATA4_N: J5.g10 U1.2 | length 1652.4
  S1 w8: U1.2@6914.95,6935.18 v1(6914.95,6964.85) ; v1(8405.05,6732.21) J5.g10@8430.05,6707.21
  S3 w4.5: v1(6914.95,6964.85) 6973.85,6964.85 6975,6966 7180,6966 7359.5,6786.5 8075,6786.5 8104.5,6757 8380.27,6757 v1(8405.05,6732.21)
ADC_A_DATA4_P: J5.g9 U1.3 | length 1699.9
  S1 w8: U1.3@6895.27,6935.18 v1(6895.27,6996.16) ; v1(8405.05,6782.21) J5.g9@8430.05,6757.21
  S3 w4.5: v1(6895.27,6996.16) 6944.84,6996.16 6960.5,6980.5 6966.51,6986.5 7188.49,6986.5 7194.5,6980.5 7367.99,6807 8197.6,6807 8197.85,6806.75 8212.15,6806.75 8212.4,6807 8380.27,6807 v1(8405.05,6782.21)
ADC_A_DATA6_N: J5.e10 U1.4 | length 1668.7
  S1 w8: U1.4@6875.58,6935.18 v1(6875.58,6963.62) ; v1(8305.05,6732.21) J5.e10@8330.05,6707.21
  S2 w4.5: v1(6875.58,6963.62) 6875.58,7010.59 6891.5,7026.5 6945.5,7026.5 7003.5,6968.5 7710.5,6968.5 7893.5,6785.5 8070,6785.5 8096.5,6759 8278.27,6759 v1(8305.05,6732.21)
ADC_A_DATA6_P: J5.e9 U1.5 | length 1690.1
  S1 w8: U1.5@6855.9,6935.18 v1(6855.9,6996) ; v1(8305.05,6782.21) J5.e9@8330.05,6757.21
  S2 w4.5: v1(6855.9,6996) 6855.9,7019.9 6877,7041 6883,7047 6953.99,7047 6959.99,7041 7011.99,6989 7718.99,6989 7901.99,6806 8281.27,6806 v1(8305.05,6782.21)
ADC_A_DATA8_N: J5.e7 U1.6 | length 1670.4
  S1 w8: U1.6@6836.21,6935.18 v1(6836.21,6964.64) ; v1(8305.05,6882.21) J5.e7@8330.05,6857.21
  S4 w8: v1(6836.21,6964.64) 6836.21,7016.27 6871.97,7052.03 6981.97,7052.03 7044,6990 7861,6990 7922,6929 8116,6929 8137,6908 8279.27,6908 v1(8305.05,6882.21)
ADC_A_DATA8_P: J5.e6 U1.7 | length 1691.8
  S1 w8: U1.7@6816.53,6935.18 v1(6816.53,6996) ; v1(8305.05,6932.21) J5.e6@8330.05,6907.21
  S4 w8: v1(6816.53,6996) 6816.53,7030.53 6855,7069 6998.94,7069 7053.94,7014 7870.94,7014 7931.94,6953 8284.27,6953 v1(8305.05,6932.21)
ADC_A_DATA10_N: J5.g7 U1.8 | length 1852.1
  S1 w8: U1.8@6796.84,6935.18 v1(6796.84,6964.2) ; v1(8405.05,6882.21) J5.g7@8430.05,6857.21
  S3 w4.5: v1(6796.84,6964.2) 6796.84,7042.85 6832.99,7079 6972,7079 7017,7034 7023,7028 7991.01,7028 8085.51,6933.5 8133,6933.5 8133,6926 8152,6907 8380.27,6907 v1(8405.05,6882.21)
ADC_A_DATA10_P: J5.g6 U1.9 | length 1869.2
  S1 w8: U1.9@6777.16,6935.18 v1(6777.16,6996.34) v1@6777.16,6996.43 ; v1(8405.05,6932.21) J5.g6@8430.05,6907.21
  S3 w4.5: v1(6777.16,6996.34) 6777.16,7052.16 6824.5,7099.5 6980.49,7099.5 7031.5,7048.5 7999.5,7048.5 8094,6954 8383.27,6954 v1(8405.05,6932.21)
ADC_A_DATA12_N: J5.j7 U1.10 | length 1946.9
  S1 w4.5: v1(8501,6883) 8504.27,6883 J5.j7@8530.05,6857.21
  S1 w8: U1.10@6757.47,6935.18 v1(6757.47,6964.85)
  S2 w4.5: v1(6757.47,6964.85) 6757.47,7003.29 6812.18,7058 6993,7058 7017,7034 7023,7028 7754.75,7028 7847.24,6935.5 8128,6935.5 8128,6934.87 8155.87,6907 8477,6907 v1(8501,6883)
ADC_A_DATA12_P: J5.j6 U1.11 | length 1967.9
  S1 w4.5: v1(8504,6932.21) 8529,6907.21 J5.j6@8530.05,6907.21
  S1 w8: U1.11@6737.79,6935.18 v1(6737.79,6997.06)
  S2 w4.5: v1(6737.79,6997.06) 6737.79,7012.6 6803.69,7078.5 7001.49,7078.5 7031.5,7048.5 7763.24,7048.5 7855.73,6956 8480.21,6956 v1(8504,6932.21)
ADC_AVDD: C28.2 C29.2 C30.2 C31.2 C32.2 L5.1 U1.16 U1.33 U1.34 | length 397.5
  S1 w9: L5.1@6539,6499.5 6549,6499.5 6553.5,6504 6593,6543.5 v1(6624,6543.5) C32.2@6655.05,6543.5 ; U1.33@6639.36,6582.82 6655.05,6567.13 ; U1.16@6639.36,6935.18 6639.5,6935.32 C30.2@6639.5,6979 ; C29.2@6639.5,7014 C30.2@6639.5,6979 ; v1(6654,6996) 6654,6993.5 C30.2@6639.5,6979 ; U1.34@6659.05,6582.82 6655.05,6578.82 6655.05,6567.13 ; C31.2@6691.05,6543 6690.55,6543.5 C32.2@6655.05,6543.5 ; C32.2@6655.05,6543.5 6655.05,6567.13
  S1 w25: L5.1@6553.5,6504 C28.2@6553.5,6566
ADC_B_DATA0_N: J5.j19 U1.40 | length 60.5
  S1 w8: U1.40@6777.16,6582.82 6779.19,6580.78 6779.19,6532.81 v1(6786,6526)
ADC_B_DATA0_P: J5.j18 U1.41 | length 48.7
  S1 w8: U1.41@6796.84,6582.82 6796.84,6554.16 v1(6811,6540)
ADC_B_DATA2_N: J5.g19 U1.42 | length 149.6
  S1 w8: U1.42@6816.53,6582.82 6816.53,6562.47 6831,6548 6831,6476 v1(6832,6475) ; v1(8405.05,6282.21) J5.g19@8430.05,6257.21
ADC_B_DATA2_P: J5.g18 U1.43 | length 158.8
  S1 w8: U1.43@6836.21,6582.82 6843.37,6575.66 6843.37,6566.41 6850,6559.78 6850,6504.9 6869,6485.9 v1(6869,6473) ; v1(8405.05,6332.21) J5.g18@8430.05,6307.21
ADC_B_DATA4_N: J5.e19 U1.44 | length 137.7
  S1 w8: U1.44@6855.9,6582.82 6862,6576.72 6862,6524 v1(6891,6495) ; v1(8305.05,6282.21) J5.e19@8330.05,6257.21
ADC_B_DATA4_P: J5.e18 U1.45 | length 96.4
  S1 w8: U1.45@6875.58,6582.82 6875.58,6546.42 v1(6893,6529) ; v1(8305.05,6332.21) J5.e18@8330.05,6307.21
ADC_B_DATA6_N: J5.j16 U1.46 | length 1741.1
  S1 w8: U1.46@6895.27,6582.82 6895.27,6553.73 v1(6928,6521) ; v1(8506,6431) 8506.27,6431 J5.j16@8530.05,6407.21
  S4 w8: v1(6928,6521) 7082.13,6521 7098.13,6505 7113.87,6505 7133.87,6525 8055,6525 8091,6489 8096,6489 8128,6457 8480,6457 v1(8506,6431)
ADC_B_DATA6_P: J5.j15 U1.47 | length 1682.4
  S1 w8: U1.47@6914.95,6582.82 6914.95,6568.05 v1(6933,6550) ; v1(8504.27,6482) 8529.05,6457.21 J5.j15@8530.05,6457.21
  S4 w8: v1(6933,6550) 6940,6543 7603.21,6543 7604.21,6542 7837.87,6542 7845.87,6550 8063.94,6550 8109.94,6504 8482.27,6504 v1(8504.27,6482)
ADC_B_DATA8_N: J5.g16 U1.50 | length 1560.8
  S1 w8: U1.50@6963.18,6631.05 7034.05,6631.05 v1(7035,6632) ; v1(8405.05,6432.21) J5.g16@8430.05,6407.21
  S3 w4.5: v1(7035,6632) 7955,6632 8128,6459 8379,6459 8405.05,6432.95 v1(8405.05,6432.21)
ADC_B_DATA8_P: J5.g15 U1.51 | length 1547.3
  S1 w8: U1.51@6963.18,6650.73 6998.73,6650.73 v1(6999,6651) ; v1(8405.05,6482.21) J5.g15@8430.05,6457.21
  S3 w4.5: v1(6999,6651) 7964.99,6651 8108,6508 8379.27,6508 v1(8405.05,6482.21)
ADC_B_DATA10_N: J5.e16 U1.52 | length 1478
  S1 w8: U1.52@6963.18,6670.42 7032.42,6670.42 v1(7033,6671) ; v1(8305.05,6432.21) J5.e16@8330.05,6407.21
  S2 w4.5: v1(7033,6671) 7742,6671 7801.5,6611.5 7977.5,6611.5 8130,6459 8281,6459 8305.05,6434.95 v1(8305.05,6432.21)
ADC_B_DATA10_P: J5.e15 U1.53 | length 1463.5
  S1 w8: U1.53@6963.18,6690.1 6998.9,6690.1 v1(6999,6690) ; v1(8305.05,6482.21) J5.e15@8330.05,6457.21
  S2 w4.5: v1(6999,6690) 6999.25,6689.75 7040.15,6689.75 7040.4,6690 7751.99,6690 7809.99,6632 7985.99,6632 8108.02,6509.97 8277.3,6509.97 v1(8305.05,6482.21)
ADC_B_DATA12_N: J5.j13 U1.54 | length 1665
  S1 w8: U1.54@6963.18,6709.79 7031.79,6709.79 v1@7033,6711 ; v1(8505.05,6581) 8506.27,6581 J5.j13@8530.05,6557.21
  S4 w8: v1(7033,6707) 7061.31,6707 7065.31,6711 ; v1@7033,6711 7065.31,6711 ; v1(8505.05,6581) 8504,6581 8479,6606 8089,6606 8008,6687 7825.06,6687 7801.06,6711 7065.31,6711
ADC_B_DATA12_P: J5.j12 U1.55 | length 1627.7
  S1 w8: U1.55@6963.71,6730 U1.55@6963.18,6729.47 6995.53,6729.47 v1(6996,6729) ; v1(8506,6635) 8530.05,6610.95 J5.j12@8530.05,6607.21
  S4 w8: v1(6996,6729) 6999,6726 7056.87,6726 7065.59,6734.72 7811.28,6734.72 7835,6711 8017.94,6711 8069,6659.94 8481.06,6659.94 v1(8506,6635)
ADC_DCLK_N: J5.g13 U1.56 | length 1547.6
  S1 w8: U1.56@6963.18,6749.16 7022.84,6749.16 7025,6747 v1(7025,6745) ; v1(8405.05,6582.21) J5.g13@8430.05,6557.21
  S3 w4.5: v1(7025,6745) 7032.01,6745 7058.76,6718.25 7084.76,6718.25 7104.5,6698.5 7110.51,6692.5 7998.51,6692.5 8086.01,6605 8382.27,6605 v1(8405.05,6582.21)